# KiCad board badge.kicad_pcb (continued)
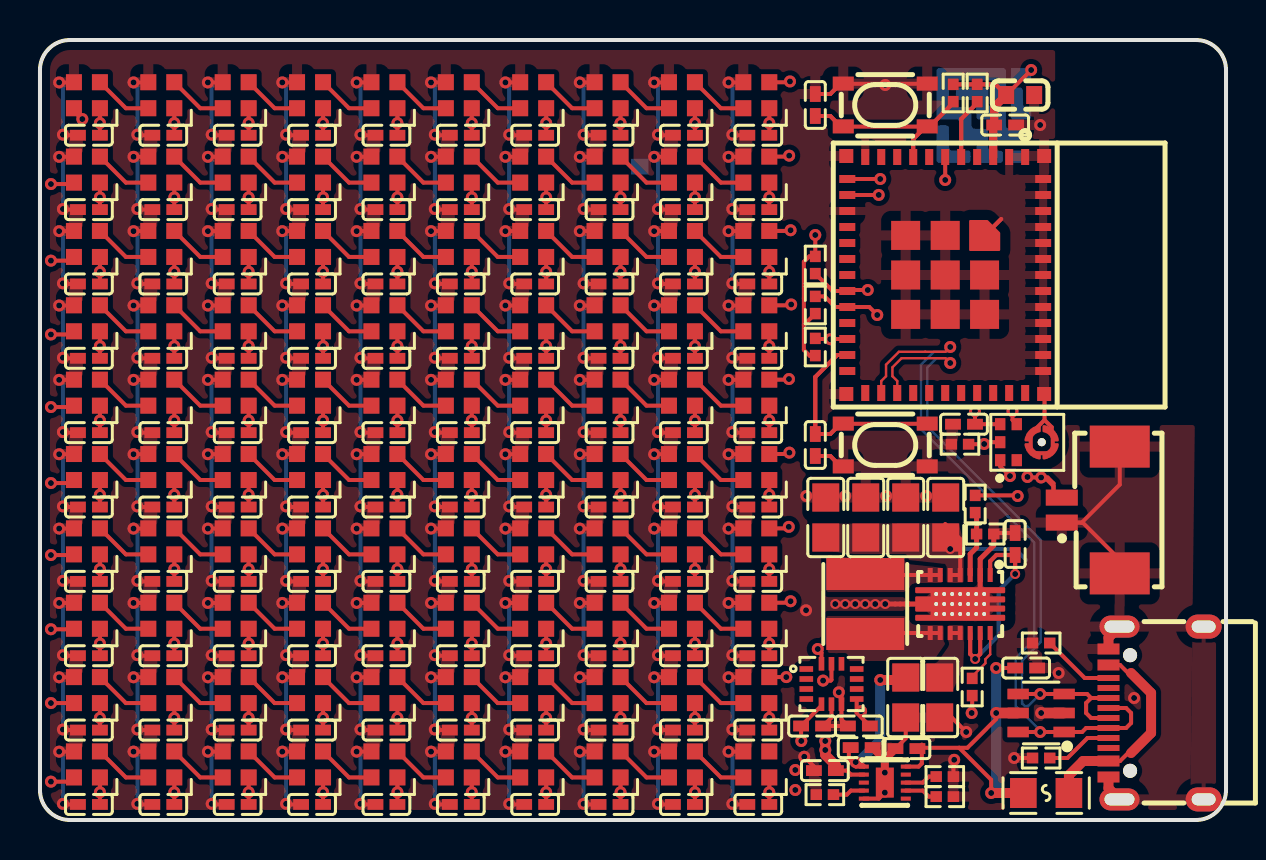
[diagram p0: board, top side]
## Routing (per net, layer and track width the routed paths; a pad name or vN(x,y) marks a point on that pad's centre or on a via; arc(x,y) is an arc through that point) (continued)
_power_in_a-VCC: length 10.9
  Top w0.21: U2.13 47.04,8.3 v2(46.79,8.05) 46.54,8.3 U2.12 ; U2.1 47.54,12.94 47.85,13.25 C117.1 v2(48.79,12.3)
  Bottom w0.21: v2(48.79,12.3) 47.97,11.47 47.97,9.22 v2(46.79,8.05)
cc[0]-line: length 3.4
  Top w0.2: USB1.4 52.41,4.1 51.41,3.1 R6.1
cc[1]-line: length 3.7
  Top w0.2: USB1.10 52.27,7.1 R9.1
data_1: length 6.2
  Top w0.2: 46.89,35.85 46.09,35.05 ; 46.89,35.85 R7.1 46.89,35.85 ; 46.89,35.85 46.09,35.05 ; 46.09,35.05 U4.5 46.09,35.05
data_3: length 0
  Top w0.2: 40.42,27.25 40.41,27.24
i2c_scl: length 25.7
  Top w0.2: v1(39.18,6.97) 39.56,6.97 39.6,7.01 U1.13 ; R14.1 39.26,26.18 39.79,25.65 U4.20 41.49,25.65 v1(41.89,25.25)
  In1.Cu w0.2: v1(41.89,25.25) 41.89,25.15 43.54,23.5 43.54,10.95 39.56,6.97 v1(39.18,6.97)
i2c_sda: length 25.4
  Top w0.2: R13.1 39.66,26.45 U4.19 40.44,26.5 v1(41.42,26.5) ; U1.14 39.1,8.36 v1(38.91,8.55)
  In1.Cu w0.2: v1(41.42,26.5) 41.29,26.37 41.29,25.5 41.29,25.5 41.29,25 41.64,24.65 41.82,24.65 43.14,23.33 43.14,11.14 40.54,8.55 v1(38.91,8.55)
i2s_sck: length 17.3
  Top w0.2: v1(42.04,32.05) U4.12 ; U3.4 48.66,20 v1(48.66,20.44)
  In1.Cu w0.2: v1(42.04,32.05) 42.99,32.05 45.31,29.73 45.31,27.23 48.66,23.88 v1(48.66,20.44)
i2s_sd: length 17.8
  Top w0.2: U4.13 41.77,31.25 41.77,31.25 v1(41.96,31.25) ; R5.1 47.23,18.79 v1(47.24,18.8) 47.33,18.89 U3.6
  In1.Cu w0.2: v1(41.96,31.25) 42.02,31.2 42.02,25.97 42.49,25.5 42.49,25.12 43.94,23.67 43.94,22.1 v1(47.24,18.8)
i2s_ws: length 19.3
  Top w0.2: v1(48.53,17.2) 48.04,17.69 U3.1 ; U4.6 v1(45.29,32)
  In1.Cu w0.2: v1(45.29,32) 49.79,27.5 49.79,20.25 48.53,18.99 v1(48.53,17.2)
ILIM_VSET: length 1.6
  Top w0.2: U5.7 44.17,1.47 44.47,1.17 R12.1
ISET: length 1.6
  Top w0.2: R4.1 44.47,2.17 44.17,1.87 U5.8
L1: length 3.8
  Top w0.2: U2.9 41.44,9.35 41.29,9.2
L2: length 3.8
  Top w0.2: U2.6 41.44,12.25 41.29,12.4
led_data: length 54.9
  Top w0.2: 38.82,24.05 R8.1 38.82,24.05 ; 38.82,24.05 U4.22 38.82,24.05 ; LED1.4 1.7,35.44 2.09,35.05 v1(2.12,35.05)
  In1.Cu w0.2: v1(2.12,35.05) 2.92,35.85 35.6,35.85 37.27,37.53 37.77,37.53 39.54,35.76 v1(39.54,24.04)
leds[1]-data_in-DIN-0: length 3
  Top w0.2: LED1.2 4.3,35.59 LED2.4
leds[1]-data_in-DIN-1: length 3
  Top w0.2: LED11.2 4.3,31.87 LED12.4
leds[1]-data_in-DIN-2: length 3
  Top w0.2: LED22.4 4.3,28.15 LED21.2
leds[1]-data_in-DIN-3: length 3
  Top w0.2: LED32.4 4.3,24.43 LED31.2
leds[1]-data_in-DIN-4: length 3
  Top w0.2: LED42.4 4.3,20.72 LED41.2
leds[1]-data_in-DIN-5: length 3
  Top w0.2: LED52.4 4.3,17 LED51.2
leds[1]-data_in-DIN-6: length 3
  Top w0.2: LED62.4 4.3,13.28 LED61.2
leds[1]-data_in-DIN-7: length 3
  Top w0.2: LED72.4 4.3,9.56 LED71.2
leds[1]-data_in-DIN-8: length 3
  Top w0.2: LED81.2 4.3,5.85 LED82.4
leds[1]-data_in-DIN-9: length 3
  Top w0.2: LED91.2 4.3,2.13 LED92.4
leds[2]-data_in-DIN-0: length 3
  Top w0.2: LED2.2 8.02,35.59 LED3.4
leds[2]-data_in-DIN-1: length 3
  Top w0.2: LED12.2 8.02,31.87 LED13.4
leds[2]-data_in-DIN-2: length 3
  Top w0.2: LED22.2 8.02,28.15 LED23.4
leds[2]-data_in-DIN-3: length 3
  Top w0.2: LED32.2 8.02,24.43 LED33.4
leds[2]-data_in-DIN-4: length 3
  Top w0.2: LED42.2 8.02,20.72 LED43.4
leds[2]-data_in-DIN-5: length 3
  Top w0.2: LED52.2 8.02,17 LED53.4
leds[2]-data_in-DIN-6: length 3
  Top w0.2: LED62.2 8.02,13.28 LED63.4
leds[2]-data_in-DIN-7: length 3
  Top w0.2: LED72.2 8.02,9.56 LED73.4
leds[2]-data_in-DIN-8: length 3
  Top w0.2: LED83.4 8.02,5.85 LED82.2
leds[2]-data_in-DIN-9: length 3
  Top w0.2: LED92.2 8.02,2.13 LED93.4
leds[3]-data_in-DIN-0: length 3
  Top w0.2: LED3.2 11.74,35.59 LED4.4
leds[3]-data_in-DIN-1: length 3
  Top w0.2: LED14.4 11.74,31.87 LED13.2
leds[3]-data_in-DIN-2: length 3
  Top w0.2: LED23.2 11.74,28.15 LED24.4
leds[3]-data_in-DIN-3: length 3
  Top w0.2: LED33.2 11.74,24.43 LED34.4
leds[3]-data_in-DIN-4: length 3
  Top w0.2: LED43.2 11.74,20.72 LED44.4
leds[3]-data_in-DIN-5: length 3
  Top w0.2: LED54.4 11.74,17 LED53.2
leds[3]-data_in-DIN-6: length 3
  Top w0.2: LED63.2 11.74,13.28 LED64.4
leds[3]-data_in-DIN-7: length 3
  Top w0.2: LED74.4 11.74,9.56 LED73.2
leds[3]-data_in-DIN-8: length 3
  Top w0.2: LED84.4 11.74,5.85 LED83.2
leds[3]-data_in-DIN-9: length 3
  Top w0.2: LED94.4 11.74,2.13 LED93.2
leds[4]-data_in-DIN-0: length 3
  Top w0.2: LED4.2 15.46,35.59 LED5.4
leds[4]-data_in-DIN-1: length 3
  Top w0.2: LED14.2 15.46,31.87 LED15.4
leds[4]-data_in-DIN-2: length 3
  Top w0.2: LED24.2 15.46,28.15 LED25.4
leds[4]-data_in-DIN-3: length 3
  Top w0.2: LED34.2 15.46,24.43 LED35.4
leds[4]-data_in-DIN-4: length 3
  Top w0.2: LED44.2 15.46,20.72 LED45.4
leds[4]-data_in-DIN-5: length 3
  Top w0.2: LED54.2 15.46,17 LED55.4
leds[4]-data_in-DIN-6: length 3
  Top w0.2: LED64.2 15.46,13.28 LED65.4
leds[4]-data_in-DIN-7: length 3
  Top w0.2: LED74.2 15.46,9.56 LED75.4
leds[4]-data_in-DIN-8: length 3
  Top w0.2: LED84.2 15.46,5.85 LED85.4
leds[4]-data_in-DIN-9: length 3
  Top w0.2: LED94.2 15.46,2.13 LED95.4
leds[5]-data_in-DIN-0: length 3
  Top w0.2: LED5.2 19.18,35.59 LED6.4
leds[5]-data_in-DIN-1: length 3
  Top w0.2: LED16.4 19.18,31.87 LED15.2
leds[5]-data_in-DIN-2: length 3
  Top w0.2: LED25.2 19.18,28.15 LED26.4
leds[5]-data_in-DIN-3: length 3
  Top w0.2: LED36.4 19.18,24.43 LED35.2
leds[5]-data_in-DIN-4: length 3
  Top w0.2: LED45.2 19.18,20.72 LED46.4
leds[5]-data_in-DIN-5: length 3
  Top w0.2: LED55.2 19.18,17 LED56.4
leds[5]-data_in-DIN-6: length 3
  Top w0.2: LED65.2 19.18,13.28 LED66.4
leds[5]-data_in-DIN-7: length 3
  Top w0.2: LED75.2 19.18,9.56 LED76.4
leds[5]-data_in-DIN-8: length 3
  Top w0.2: LED85.2 19.18,5.85 LED86.4
leds[5]-data_in-DIN-9: length 3
  Top w0.2: LED95.2 19.18,2.13 LED96.4
leds[6]-data_in-DIN-0: length 3
  Top w0.2: LED6.2 22.9,35.59 LED7.4
leds[6]-data_in-DIN-1: length 3
  Top w0.2: LED17.4 22.9,31.87 LED16.2
leds[6]-data_in-DIN-2: length 3
  Top w0.2: LED26.2 22.9,28.15 LED27.4
leds[6]-data_in-DIN-3: length 3
  Top w0.2: LED36.2 22.9,24.43 LED37.4
leds[6]-data_in-DIN-4: length 3
  Top w0.2: LED47.4 22.9,20.72 LED46.2
leds[6]-data_in-DIN-5: length 3
  Top w0.2: LED57.4 22.9,17 LED56.2
leds[6]-data_in-DIN-6: length 3
  Top w0.2: LED67.4 22.9,13.28 LED66.2
leds[6]-data_in-DIN-7: length 3
  Top w0.2: LED76.2 22.9,9.56 LED77.4
leds[6]-data_in-DIN-8: length 3
  Top w0.2: LED86.2 22.9,5.85 LED87.4
leds[6]-data_in-DIN-9: length 3
  Top w0.2: LED96.2 22.9,2.13 LED97.4
leds[7]-data_in-DIN-0: length 3
  Top w0.2: LED7.2 26.63,35.59 LED8.4
leds[7]-data_in-DIN-1: length 3
  Top w0.2: LED18.4 26.63,31.87 LED17.2
leds[7]-data_in-DIN-2: length 3
  Top w0.2: LED28.4 26.63,28.15 LED27.2
leds[7]-data_in-DIN-3: length 3
  Top w0.2: LED38.4 26.63,24.43 LED37.2
leds[7]-data_in-DIN-4: length 3
  Top w0.2: LED48.4 26.63,20.72 LED47.2
leds[7]-data_in-DIN-5: length 3
  Top w0.2: LED57.2 26.63,17 LED58.4
leds[7]-data_in-DIN-6: length 3
  Top w0.2: LED68.4 26.63,13.28 LED67.2
leds[7]-data_in-DIN-7: length 3
  Top w0.2: LED77.2 26.63,9.56 LED78.4
leds[7]-data_in-DIN-8: length 3
  Top w0.2: LED88.4 26.63,5.85 LED87.2
leds[7]-data_in-DIN-9: length 3
  Top w0.2: LED97.2 26.63,2.13 LED98.4
leds[8]-data_in-DIN-0: length 3
  Top w0.2: LED8.2 30.35,35.59 LED9.4
leds[8]-data_in-DIN-1: length 3
  Top w0.2: LED18.2 30.35,31.87 LED19.4
leds[8]-data_in-DIN-2: length 3
  Top w0.2: LED29.4 30.35,28.15 LED28.2
leds[8]-data_in-DIN-3: length 3
  Top w0.2: LED38.2 30.35,24.43 LED39.4
leds[8]-data_in-DIN-4: length 3
  Top w0.2: LED48.2 30.35,20.72 LED49.4
leds[8]-data_in-DIN-5: length 3
  Top w0.2: LED58.2 30.35,17 LED59.4
leds[8]-data_in-DIN-6: length 3
  Top w0.2: LED69.4 30.35,13.28 LED68.2
leds[8]-data_in-DIN-7: length 3
  Top w0.2: LED79.4 30.35,9.56 LED78.2
leds[8]-data_in-DIN-8: length 3
  Top w0.2: LED89.4 30.35,5.85 LED88.2
leds[8]-data_in-DIN-9: length 3
  Top w0.2: LED98.2 30.35,2.13 LED99.4
leds[9]-data_in-DIN-0: length 3
  Top w0.2: LED10.4 34.07,35.59 LED9.2
leds[9]-data_in-DIN-1: length 3
  Top w0.2: LED19.2 34.07,31.87 LED20.4
leds[9]-data_in-DIN-2: length 3
  Top w0.2: LED30.4 34.07,28.15 LED29.2
leds[9]-data_in-DIN-3: length 3
  Top w0.2: LED39.2 34.07,24.43 LED40.4
leds[9]-data_in-DIN-4: length 3
  Top w0.2: LED49.2 34.07,20.72 LED50.4
leds[9]-data_in-DIN-5: length 3
  Top w0.2: LED59.2 34.07,17 LED60.4
leds[9]-data_in-DIN-6: length 3
  Top w0.2: LED70.4 34.07,13.28 LED69.2
leds[9]-data_in-DIN-7: length 3
  Top w0.2: LED80.4 34.07,9.56 LED79.2
leds[9]-data_in-DIN-8: length 3
  Top w0.2: LED90.4 34.07,5.85 LED89.2
leds[9]-data_in-DIN-9: length 3
  Top w0.2: LED100.4 34.07,2.13 LED99.2
N_TRST: length 14.9
  Top w0.2: 44.32,34.68 43.69,34.05 ; 44.32,34.68 SW2.4 ; 44.32,34.68 43.69,34.05 ; 44.32,34.68 SW2.4 ; 43.69,34.05 U4.8 43.69,34.05 ; 44.52,34.68 SW2.4 ; 44.52,34.68 45.69,35.85 ; 44.52,34.68 45.69,35.85 ; 44.52,34.68 SW2.4 ; 39.54,35.2 C107.2 39.54,35.2 ; 39.54,35.2 40.06,34.68 ; 39.54,35.2 40.06,34.68 ; 45.69,35.85 R15.2 45.69,35.85 ; 40.21,34.67 44.41,34.67 ; 40.06,34.68 SW2.3 40.06,34.68
nCE: length 1.6
  Top w0.2: R11.1 40.37,1.27 40.57,1.47 U5.4
output: length 17.2
  Top w0.2: 40.06,19.82 39.54,19.3 ; 40.06,19.82 SW1.4 40.06,19.82 ; 40.06,19.82 39.54,19.3 ; 39.54,19.3 C106.2 ; 39.54,19.3 C106.2 ; 38.79,22.15 C106.2 ; 38.79,22.15 39.89,23.25 ; 38.79,22.15 C106.2 ; 38.79,22.15 39.89,23.25 ; 39.89,23.25 U4.23 39.89,23.25 ; 40.21,19.81 44.41,19.81
PG: length 2.6
  Top w0.12: R3.1 46.64,7.18 47.3,7.84 47.3,8.04 47.54,8.28 U2.14
power_3v3: length 174
  Top w0.2: C28.1 v1(14.16,27.41) LED24.1 ; LED83.1 v1(10.44,5.11) C87.1 ; LED99.1 v1(32.77,1.39) C103.1 ; v1(38.09,3.95) 38.08,3.96 C2.1 39.1,5.72 U1.5 ; C55.1 v1(3,16.26) LED51.1 ; C40.1 v1(21.6,23.69) LED36.1 ; LED63.1 v1(10.44,12.54) C67.1 ; C15.1 v1(3,31.13) LED11.1 ; C104.1 v1(36.49,1.39) LED100.1 ; LED38.1 v1(29.05,23.69) C42.1 ; LED28.1 v1(29.05,27.41) C32.1 ; LED67.1 v1(25.33,12.54) C71.1 ; C33.1 v1(32.77,27.41) LED29.1 ; LED84.1 v1(14.16,5.11) C88.1 ; C73.1 v1(32.77,12.54) LED69.1 ; C41.1 v1(25.33,23.69) LED37.1 ; C80.1 v1(21.6,8.82) LED76.1 ; 45.29,14.8 46.04,14.05 U2.4 U2.5 ; LED23.1 v1(10.44,27.41) C27.1 ; LED16.1 v1(21.6,31.13) C20.1 ; LED48.1 v1(29.05,19.98) C52.1 ; C65.1 v1(3,12.54) LED61.1 ; LED26.1 v1(21.6,27.41) C30.1 ; C22.1 v1(29.05,31.13) LED18.1 ; C8.1 v1(14.16,34.85) LED4.1 ; LED15.1 v1(17.88,31.13) C19.1 ; LED13.1 v1(10.44,31.13) C17.1 ; 38.22,24.75 38.22,27.91 38.49,28.18 R13.2 v1(38.79,29.25) ; 38.22,24.75 38.79,25.32 R14.2 ; 38.22,24.75 38.22,23.5 38.51,23.21 38.81,23.21 ; LED50.1 v1(36.49,19.98) C54.1 ; LED55.1 v1(17.88,16.26) C59.1 ; 47.81,36.78 C108.1 47.81,36.78 ; 47.81,36.78 R7.2 ; 47.81,36.78 R7.2 ; LED90.1 v1(36.49,5.11) C94.1 ; LED86.1 v1(21.6,5.11) C90.1 ; C93.1 v1(32.77,5.11) LED89.1 ; C92.1 v1(29.05,5.11) LED88.1 ; C10.1 v1(21.6,34.85) LED6.1 ; LED22.1 v1(6.72,27.41) C26.1 ; LED9.1 v1(32.77,34.85) C13.1 ; LED87.1 v1(25.33,5.11) C91.1 ; LED31.1 v1(3,23.69) C35.1 ; LED44.1 v1(14.16,19.98) C48.1 ; LED58.1 v1(29.05,16.26) C62.1 ; R3.2 46.64,5.38 v1(46.62,5.35) ; C58.1 v1(14.16,16.26) LED54.1 ; C69.1 v1(17.88,12.54) LED65.1 ; C7.1 v1(10.44,34.85) LED3.1 ; LED59.1 v1(32.77,16.26) C63.1 ; LED68.1 v1(29.05,12.54) C72.1 ; C89.1 v1(17.88,5.11) LED85.1 ; C66.1 v1(6.72,12.54) LED62.1 ; C97.1 v1(10.44,1.39) LED93.1 ; C53.1 v1(32.77,19.98) LED49.1 ; LED43.1 v1(10.44,19.98) C47.1 ; C39.1 v1(17.88,23.69) LED35.1 ; LED42.1 v1(6.72,19.98) C46.1 ; C82.1 v1(29.05,8.82) LED78.1 ; v1(46.78,20.44) C105.1 U3.5 ; LED72.1 v1(6.72,8.82) C76.1 ; LED53.1 v1(10.44,16.26) C57.1 ; LED98.1 v1(29.05,1.39) C102.1 ; LED96.1 v1(21.6,1.39) C100.1 ; C45.1 v1(3,19.98) LED41.1 ; C84.1 v1(36.49,8.82) LED80.1 ; C68.1 v1(14.16,12.54) LED64.1 ; LED91.1 v1(3,1.39) C95.1 ; R2.1 48.89,16.23 v1(48.92,16.2) ; C50.1 v1(21.6,19.98) LED46.1 ; C60.1 v1(21.6,16.26) LED56.1 ; C29.1 v1(17.88,27.41) LED25.1 ; C98.1 v1(14.16,1.39) LED94.1 ; LED81.1 v1(3,5.11) C85.1 ; C5.1 v1(3,34.85) LED1.1 ; R7.2 R15.1 R7.2 ; C79.1 v1(17.88,8.82) LED75.1 ; C21.1 v1(25.33,31.13) LED17.1 ; LED39.1 v1(32.77,23.69) C43.1 ; LED19.1 v1(32.77,31.13) C23.1 ; C31.1 v1(25.33,27.41) LED27.1 ; C37.1 v1(10.44,23.69) LED33.1 ; C24.1 v1(36.49,31.13) LED20.1 ; LED57.1 v1(25.33,16.26) C61.1 ; C78.1 v1(14.16,8.82) LED74.1 ; LED77.1 v1(25.33,8.82) C81.1 ; LED70.1 v1(36.49,12.54) C74.1 ; LED71.1 v1(3,8.82) C75.1 ; LED8.1 v1(29.05,34.85) C12.1 ; C6.1 v1(6.72,34.85) LED2.1 ; C16.1 v1(6.72,31.13) LED12.1 ; LED60.1 v1(36.49,16.26) C64.1 ; LED5.1 v1(17.88,34.85) C9.1 ; C51.1 v1(25.33,19.98) LED47.1 ; C83.1 v1(32.77,8.82) LED79.1 ; LED7.1 v1(25.33,34.85) C11.1 ; C14.1 v1(36.49,34.85) LED10.1 ; v1(49.59,37.5) 47.74,35.65 ; LED21.1 v1(3,27.41) C25.1 ; C99.1 v1(17.88,1.39) LED95.1 ; C38.1 v1(14.16,23.69) LED34.1 ; C44.1 v1(36.49,23.69) LED40.1 ; C1.1 40.86,5.36 U1.8 ; C77.1 v1(10.44,8.82) LED73.1 ; LED92.1 v1(6.72,1.39) C96.1 ; C49.1 v1(17.88,19.98) LED45.1 ; LED97.1 v1(25.33,1.39) C101.1 ; LED14.1 v1(14.16,31.13) C18.1 ; LED32.1 v1(6.72,23.69) C36.1 ; C56.1 v1(6.72,16.26) LED52.1 ; LED66.1 v1(21.6,12.54) C70.1 ; C34.1 v1(36.49,27.41) LED30.1 ; LED82.1 v1(6.72,5.11) C86.1
  Top w0.4: 47.69,34.7 C109.1 ; 47.69,34.7 U4.3 47.69,34.7 ; 47.69,34.7 C109.1 ; C109.1 47.74,35.65 ; C109.1 47.74,35.65 ; 47.74,35.65 C108.1 47.74,35.65
  Bottom w0.2: v2(45.54,13.55) 48.79,13.55 49.34,13
  vias: v1(37.79,2.5) v1(37.79,1.5) v1(41.08,5.44)
power_batt: length 29.2
  Top w0.2: v1(50.09,17.13) 50.41,17.13 50.71,16.83 50.71,16.08 ; v1(50.09,17.13) 49.43,17.13 v1(49.4,17.15) ; v1(50.09,17.13) 50.27,17.13 50.71,16.69 50.71,15.92 ; C113.1 40.37,2.47 40.57,2.27 U5.2
  Top w0.5: C113.1 39.82,2.72 39.29,3.25 v1(39.29,3.95)
  In1.Cu w0.5: v1(49.4,17.15) 50.09,16.47 50.09,16 ; 50.09,16 v1(50.09,17.13) ; 50.09,16 50.09,12.16 46.83,8.9 45.74,8.9 40.79,3.95 ; 40.79,3.95 40.34,3.5 v1(39.29,3.5) ; 40.79,3.95 v1(39.29,3.95)
power_sys: length 8.6
  Top w0.2: 40.47,3.67 40.47,3.02 40.82,2.67 U5.1 41.22,2.7 41.03,2.9 v1(40.81,2.9) ; U2.10 U2.11
  Top w0.5: C4.1 43.19,7 v1(42.04,7)
  Bottom w0.5: v1(40.81,2.9) 40.94,2.9 42.04,3.99 v1(42.04,7)
power_vbus-VCC: length 10.6
  Top w0.2: 54.59,3.35 54.44,3.35 54.04,2.95 USB1.2 ; 54.59,7.35 54.44,7.35 54.04,7.75 USB1.11
  Top w0.5: F1.1 51.48,2.24 52.19,2.95 USB1.2 ; 54.59,7.35 55.59,6.35 55.59,4.35 54.59,3.35
rows[1]-data_in-line: length 41.3
  Top w0.2: v1(37.52,36.93) 37.48,36.89 LED10.2 ; v1(0.55,31.8) 1.63,31.8 LED11.4
  In1.Cu w0.2: v1(0.55,31.8) 0.8,31.8 4.45,35.45 36.04,35.45 v1(37.52,36.93)
rows[2]-data_in-line: length 41.3
  Top w0.2: LED21.4 1.51,27.97 v1(0.55,27.97) ; LED20.2 37.44,33.17 v1(37.48,33.22)
  In1.Cu w0.2: v1(37.48,33.22) 36,31.73 4.45,31.73 0.69,27.97 v1(0.55,27.97)
rows[3]-data_in-line: length 41.5
  Top w0.2: LED31.4 1.54,24.28 v1(0.55,24.28) ; v1(37.55,29.49) 37.52,29.45 LED30.2
  In1.Cu w0.2: v1(37.55,29.49) 36.91,28.84 5.28,28.84 0.71,24.28 v1(0.55,24.28)
rows[4]-data_in-line: length 41.5
  Top w0.2: LED40.2 37.54,25.73 v1(37.58,25.78) ; LED41.4 1.63,20.65 v1(0.55,20.65)
  In1.Cu w0.2: v1(37.58,25.78) 36.93,25.12 5.28,25.12 0.8,20.65 v1(0.55,20.65)
rows[5]-data_in-line: length 41.3
  Top w0.2: v1(37.47,22.05) 37.44,22.02 LED50.2 ; LED51.4 1.55,16.85 v1(0.55,16.85)
  In1.Cu w0.2: v1(37.47,22.05) 36.83,21.41 5.28,21.41 0.72,16.85 v1(0.55,16.85)
rows[6]-data_in-line: length 41.3
  Top w0.2: LED60.2 37.42,18.3 v1(37.49,18.37) ; v1(0.55,13.25) 1.67,13.25 LED61.4
  In1.Cu w0.2: v1(0.55,13.25) 0.84,13.25 5.28,17.69 36.81,17.69 v1(37.49,18.37)
rows[7]-data_in-line: length 41.2
  Top w0.2: LED71.4 1.67,9.54 v1(0.55,9.54) ; v1(37.46,14.66) 37.39,14.58 LED70.2
  In1.Cu w0.2: v1(0.55,9.54) 0.85,9.54 5.27,13.97 36.77,13.97 v1(37.46,14.66)
rows[8]-data_in-line: length 41.4
  Top w0.2: LED80.2 37.48,10.86 v1(37.55,10.94) ; v1(0.55,5.85) 1.7,5.85 LED81.4
  In1.Cu w0.2: v1(0.55,5.85) 0.87,5.85 5.28,10.25 36.87,10.25 v1(37.55,10.94)
rows[9]-data_in-line: length 41.2
  Top w0.2: v1(0.55,1.92) 1.49,1.92 LED91.4 ; v1(37.34,7.15) LED90.2
  In1.Cu w0.2: v1(37.34,7.15) 37.34,6.91 36.96,6.53 5.28,6.53 0.66,1.92 v1(0.55,1.92)
usb_N: length 36.1
  Top w0.12: U4.26 42.09,21.95 42.33,22.19 42.33,22.77 42.97,23.41 45.3,23.41 v1(45.54,23.65)
  Top w0.2: D1.6 v1(50.04,4.4) D1.1 52.14,4.4 52.34,4.6 USB1.5 54.34,4.6 54.59,4.85 54.59,5.35 54.34,5.6 USB1.7
  Bottom w0.12: v1(50.04,4.4) 50.04,4.47 49.01,5.51 49,5.51 48.82,5.7 48.82,8.1 49.74,9.03 49.74,12.55 49.74,12.55 49.74,13.87 48.42,15.19 48.42,15.19 44.08,19.53 44.08,22.77 44.72,23.41 45.3,23.41 v1(45.54,23.65)
usb_P: length 33.5
  Top w0.12: U4.27 42.89,21.95 42.65,22.19 42.65,22.63 43.11,23.09 45.3,23.09 v1(45.54,22.85)
  Top w0.2: 52.59,6.1 52.34,5.85 52.34,5.35 52.59,5.1 USB1.6 ; 52.59,6.1 52.39,6.3 D1.3 v1(50.04,6.3) D1.4 ; 52.59,6.1 USB1.8
  Bottom w0.12: 49.14,5.9 49.14,5.83 ; 49.14,5.9 49.14,5.83 ; 49.14,5.9 49.14,7.97 50.06,8.9 50.06,14.01 48.55,15.51 44.4,19.67 44.4,22.63 44.86,23.09 45.3,23.09 v1(45.54,22.85) ; 49.14,5.83 49.27,5.7 49.44,5.7 v1(50.04,6.3)
usb_power: length 21.2
  Top w0.2: 45.99,3.61 43.94,3.61 C115.1 ; 45.99,3.61 47.59,2.01 v1(47.59,1.35) ; 45.99,3.61 46.4,3.61 47.84,5.05 v1(47.84,5.35) ; U5.10 43.96,2.67 44.12,2.83 44.12,3.77 ; C118.1 v1(47.84,7.6)
  Top w0.5: v1(47.59,1.35) F1.2
  Top w0.53: v1(47.84,5.35) D1.5
  Bottom w0.5: 47.84,3.2 47.84,1.6 ; 47.84,1.6 v1(47.59,1.35) ; 47.84,1.6 v1(47.84,5.35) v1(47.84,7.6)
VDIV_OUTPUT: length 3.3
  Top w0.25: R2.2 46.86,15.3 R1.1 46.86,13.62 46.54,13.3 U2.3

## Copper pours and planes (outline as drawn; the poured copper is in the pictures)
gnd on Top: 43.57,4.27 40.97,4.27 40.97,3.17 41.67,3.17 41.67,1.27 40.97,1.27 40.97,0.57 42.87,0.57 42.87,3.17 43.57,3.17
gnd on Top: 50.89,37.45 50.89,17.05 38.29,17.05 38.29,37.45
gnd on Top: 48.54,9.8 48.54,11.8 39.29,11.8 39.29,9.8
gnd on Top, Bottom: 59.34,0.1 59.34,10.6 47.09,10.6 47.09,0.1
gnd on Top, In2.Cu: -0.96,42 58.04,42 57.54,-0.5 -0.96,-0.5
(no net) on Top: 42.87,2.47 42.87,3.17 43.57,3.17 43.57,4.27 44.77,4.27 44.77,3.27 43.77,2.47
(no net) on Top: 41.67,2.47 41.67,3.17 40.97,3.17 40.97,4.27 39.77,4.27 39.77,3.27 40.77,2.47
L1 on Top: 45.29,9.8 45.29,8.8 44.69,7.95 39.34,7.95 39.34,10.2 43.24,10.2 43.64,9.8
L2 on Top: 45.29,11.8 45.29,12.8 44.69,13.65 39.34,13.65 39.34,11.4 43.24,11.4 43.64,11.8
power_3v3 on Top: 46.29,11.8 45.29,11.8 45.29,12.8 38.97,13.49 39.76,14.82 45.97,14.85 46.19,13.95
power_3v3 on Bottom, In1.Cu: -1.18,40.13 59.04,40.95 58.79,-1.55 -1.21,-1.55
power_sys on Top: 46.29,9.8 45.29,9.8 45.29,8.8 42.62,7.8 42.62,6.45 45.67,6.45 46.19,7.65
